# Altium PCB CB3-ECB_PCB.PcbDoc (part 2 of 4)
Units mm, origin at the board's own origin, x right, y up, seen from the top; angles counter-clockwise.
Board outline 205.5 x 149.67 mm, 4 copper layers (Top Layer, Layer 1, Layer 2, Bottom Layer), stack 1.56 mm thick; 352 components, 259 nets, 1548 pads, 901 vias.
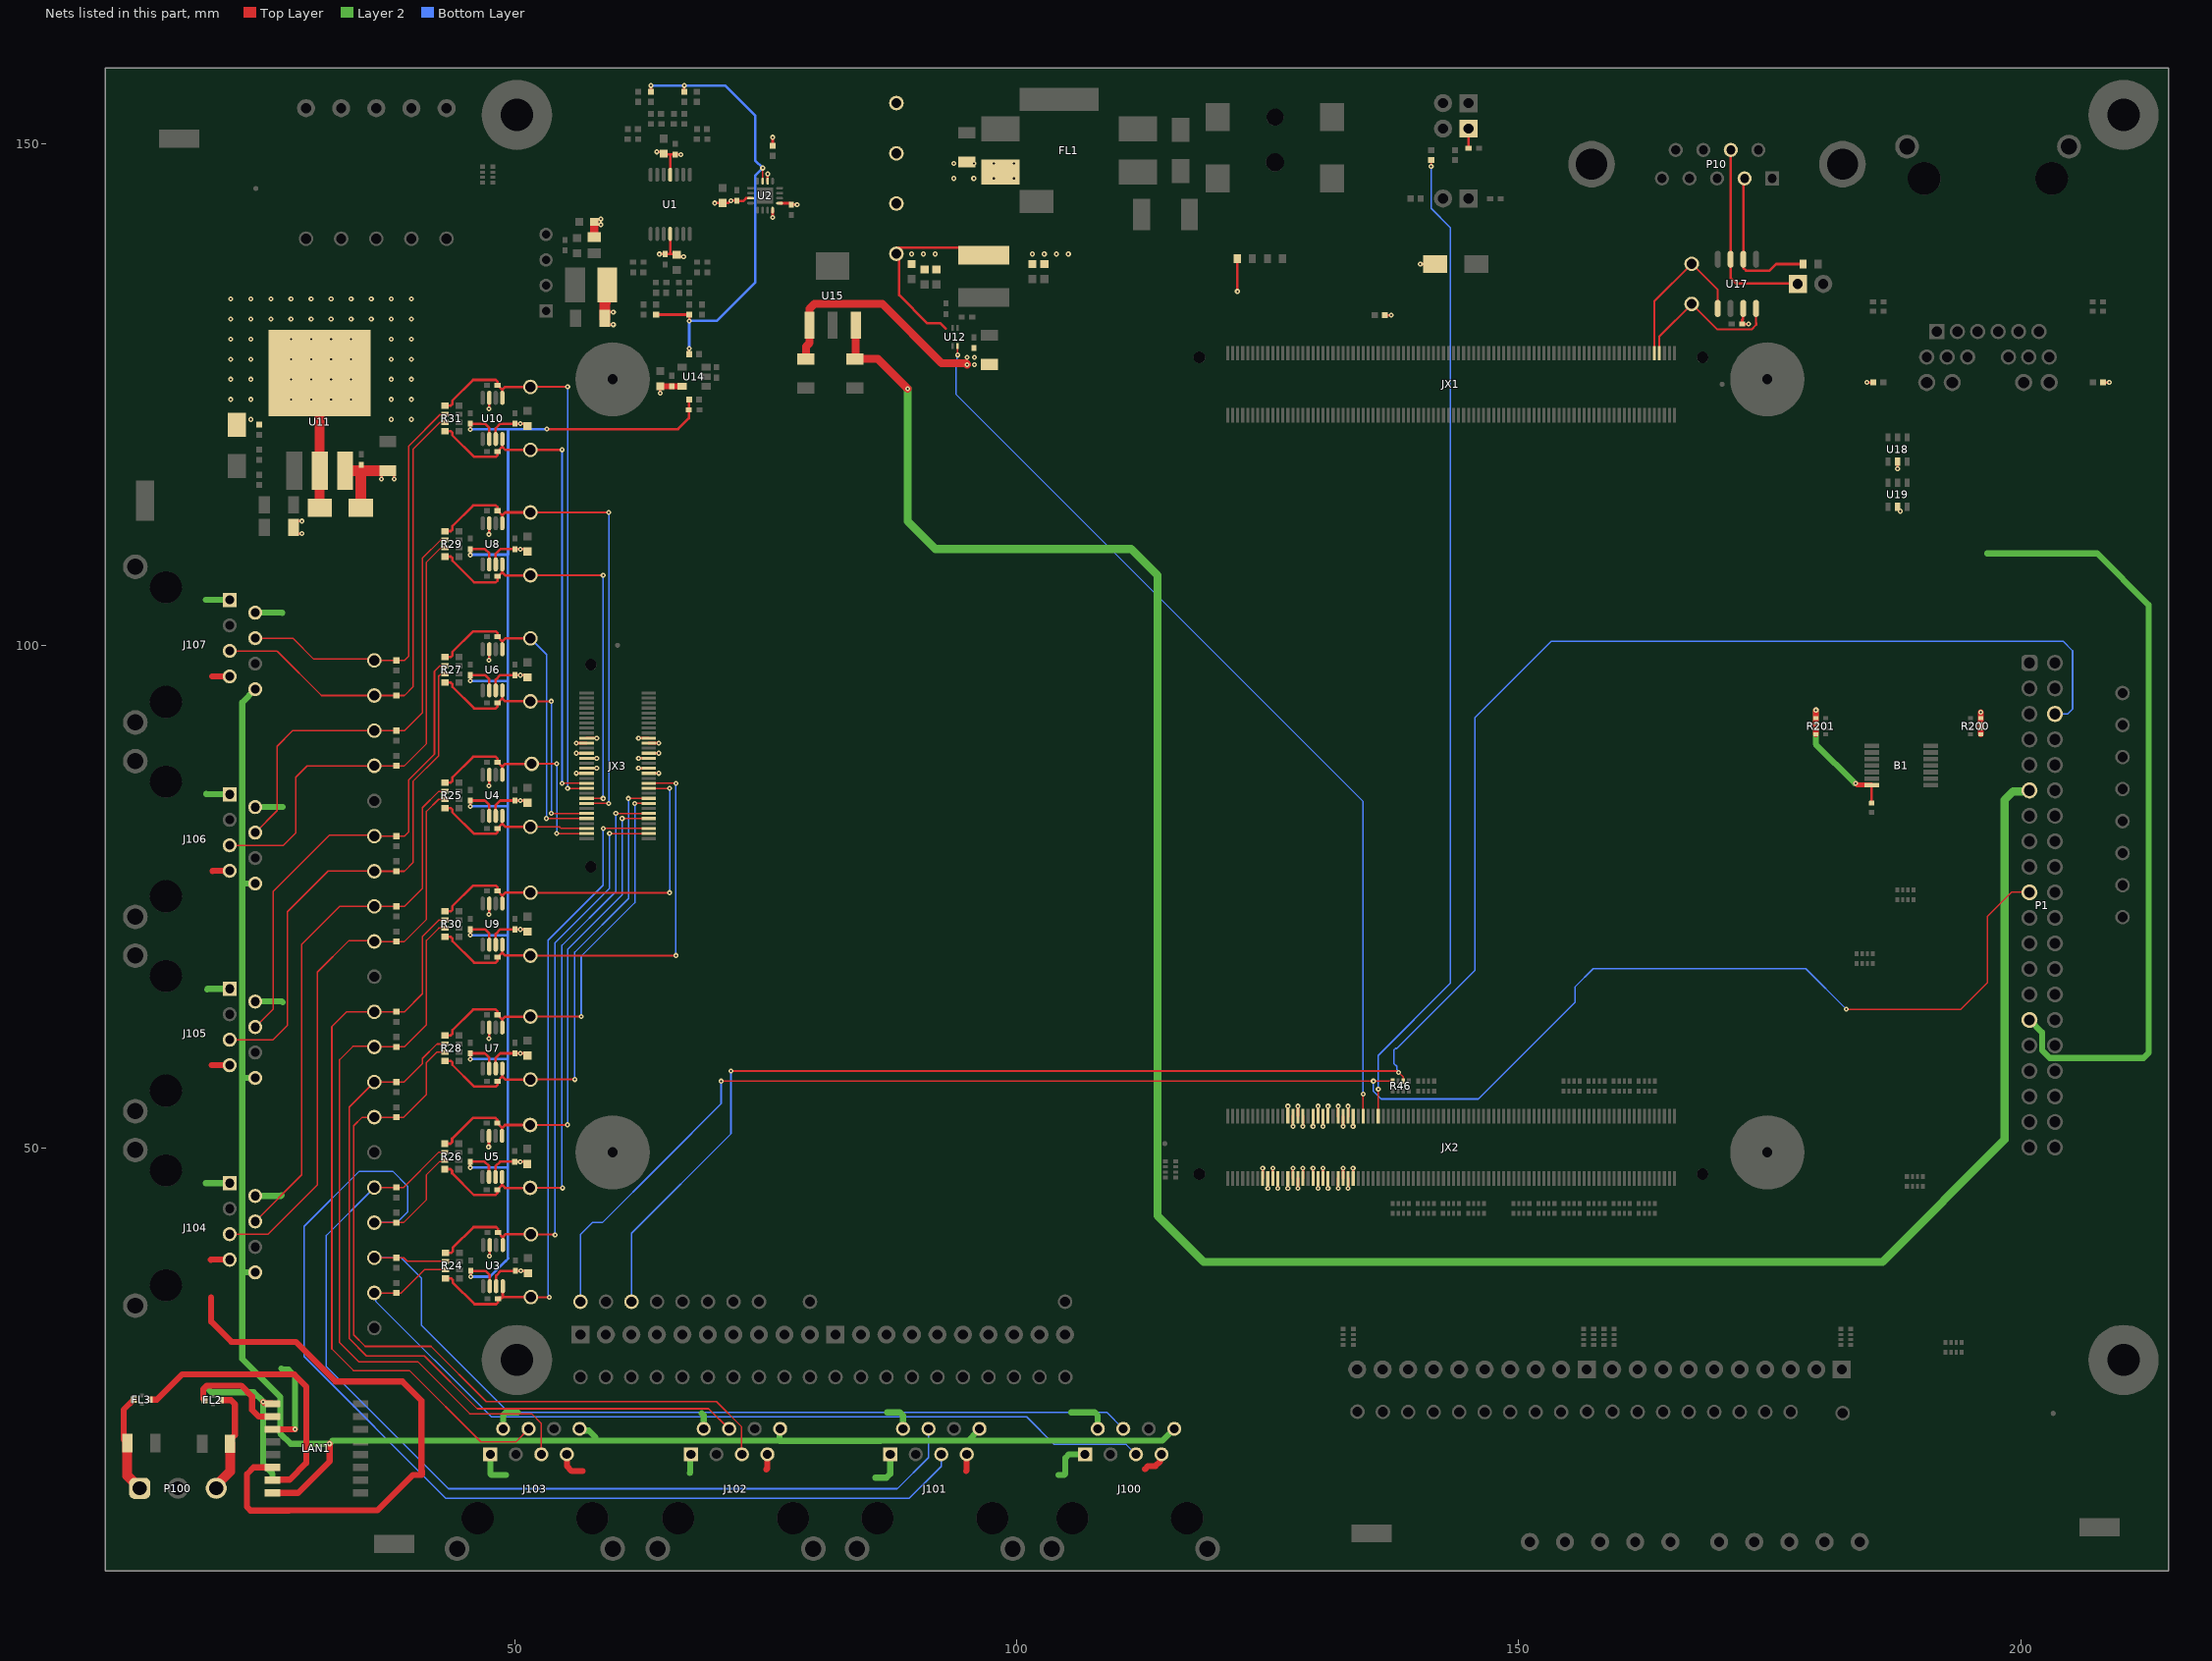
[diagram p4: the nets of this part, all layers, seen from the top]

## Part data (continued)
C1 C3 C9 C19 C22 C29 C32 C39 C42 C47 C52 C56 C64 C65 C69 C71 C79 C82 C83: library part CMP-055-000003-7, "CAP CER 10UF 10V X5R 0603 10% (Generic Imperix Component)", Case/Package=0603, Dielectric=X5R, Tolerance=10%, Voltage Rating (DC)=10V
C2 C4 C7 C8 C18 C21 C28 C31 C38 C41 C46 C51 C57 C58 C61 C67 C70 C73 C74 C75 C76 C77 C78 C84: library part CMP-004-000006-18, "CAP CER 100NF 25V X7R 0402 10% (Generic Imperix Component)", Case/Package=0402, Dielectric=X7R, Tolerance=10%, Voltage Rating (DC)=25V
C5 C10 C12 C14: library part CMP-027-000004-13, "CAP CER 56PF 50V C0G 0402 1% (Generic Imperix Component)", Case/Package=0402, Dielectric=C0G, Tolerance=1%, Voltage Rating (DC)=50V
C6 C11 C13 C15: library part CMP-012-000001-12, "CAP CER 10NF 25V X7R 0402 10% (Generic Imperix Component)", Case/Package=0402, Dielectric=X7R, Tolerance=10%, Voltage Rating (DC)=25V
C16 C17 C23 C24 C26 C27 C34 C35 C36 C37 C44 C45 C48 C49 C54 C55: library part CMP-004-000007-13, "CAP CER 12PF 50V C0G 0402 5% (Generic Imperix Component)", Case/Package=0402, Dielectric=C0G, Tolerance=5%, Voltage Rating (DC)=50V
C20 C25 C30 C33 C40 C43 C50 C53 C72 C80 C81: library part CMP-004-000008-13, "CAP CER 1UF 6.3V X5R 0402 5% (Generic Imperix Component)", Case/Package=0402, Dielectric=X5R, Tolerance=5%, Voltage Rating (DC)=6.3V
C59 C60 C62 C63 C66 C68 C85 C86: library part CMP-002-000022-5, "CAP CER 10UF 25V X5R 1206 10% (Generic Imperix Component)", Case/Package=1206, Dielectric=X5R, Tolerance=10%, Voltage Rating (DC)=25V
C87 C88: "Capacitor", Manufacturer_Name=SAMSUNG, Mouser Part Number=187-CL31B106KAHNNNE, Arrow Part Number=CL31B106KAHNNNE, Arrow Price/Stock=https://www.arrow.com/en/products/cl31b106kahnnne/samsung-electro-mechanics?region=nac, Datasheet Link=https://datasheet.datasheetarchive.com/originals/distributors/Datasheets_SAMA/d94547340e0e9d2be5f415b64e4e2f0a.pdf, Height=1.8mm, Manufacturer_Part_Number=CL31B106KAHNNNE, Mouser Price/Stock=https://www.mouser.co.uk/ProductDetail/Samsung-Electro-Mechanics/CL31B106KAHNNNE?qs=349EhDEZ59r5EZhnLOTsYA%3D%3D
C89: library part CMP-001-00067-3, "Chip Capacitor, 100nF +/-20%, 50V, 0402, Thickness 0.6 mm", Case/Package=0402, Max Operating Temperature=85°C, Min Operating Temperature=-55°C, Tolerance=10%, Voltage Rating=50V, Mounting Technology=SMT, Pins=2
D1 D3 D4: library part CMP-005-000028-6, "Diode Schottky 40 V 3A Surface Mount SMA", Average Rectified Current=3A, Case/Package=DO-214AC, Forward Voltage=450mV, Max Forward Surge Current (Ifsm)=100A, Max Operating Temperature=150°C, Max Repetitive Reverse Voltage (Vrrm)=40V, Max Reverse Current=300uA, Min Operating Temperature=-55°C, Package Quantity=1, Current Rating=3A, Element Configuration=Single, Forward Current=3A, Halogen Free="Halogen Free", Height=2mm, Lead Free="Lead Free", Length=4.32mm, Max Reverse Voltage (DC)=40V, Output Current=3A, Packaging="Tape and Reel", Peak Non-Repetitive Surge Current=100A, Pins=2, Polarity=Standard, Radiation Hardening=No, Reach SVHC Compliant=No, RoHS Compliant=Yes, Series=-, Voltage Rating (DC)=40V, Width=2.6mm
D2: library part CMP-030-000001-20, "32.5V Clamp 71A (8/20µs) Ipp Tvs Diode Surface Mount SMA (DO-214AC) Unidirectional", Breakdown Voltage=17.6V, Case/Package=DO-214AC, Clamping Voltage=32.5V, Leakage Current=200nA, Max Operating Temperature=150°C, Max Surge Current=1mA, Min Breakdown Voltage=16.7V, Min Operating Temperature=-55°C, Operating Supply Voltage=15V, Package Quantity=1, Peak Pulse Current=71A, Peak Pulse Power=400W, Power Line Protection=No, Clamping Voltage-Max=32.5V, Diode Type=ZENER, Direction=Unidirectional, ESD Protection=Yes, Height=2.03mm, Lead Free="Lead Free", Length=2.95mm, Max Breakdown Voltage=17.6V, Max Reverse Leakage Current=200nA, Mounting Technology="Surface Mount", Number of Elements=1, Number of Unidirectional Channels=1, Packaging="Tape and Reel", Pins=2, Polarity=Unidirectional, Power Dissipation=400W, Radiation Hardening=No, Reach SVHC Compliant=No, Reverse Breakdown Voltage=16.7V, Reverse Standoff Voltage=15V, RoHS Compliant=Yes, Series="SMAJ, TRANSIL™", Termination=SMD/SMT, Test Current=1mA, Voltage Rating (DC)=15V, Width=4.6mm
F1 F2 F3 F4 F5: library part CMP-031-000000-13, "Fiducial for pick&place (No BOM)"
F6: library part CMP-00170-3, "PTC Resettable Fuse 1.1A(hold)  1.95A(trip) 16VDC 1812", Case Code (Imperial)=1812, Case Code (Metric)=4532, Current Rating=100A, Hold Current=1.1A, Max Operating Temperature=85°C, Max Power Dissipation=800mW, Max Voltage Rating (DC)=16V, Min Operating Temperature=-40°C, Package Quantity=1500, Trip Current=1.95A, Approvals=cULus,TUV, Case/Package=1812, Lead Free="Lead Free", Max Current Rating=100A, Mounting Technology="Surface Mount", Operating Supply Voltage=16V, Packaging="Tape and Reel", Power Dissipation=800mW, Reach SVHC Compliant=Unknown, RoHS Compliant=Yes, Series=1812L, Termination=SMD/SMT, Time to Trip=300ms, Voltage Rating (DC)=16V, Width=4.73mm, Working Voltage=16V
FL1: library part CMP-00068-6, "EMI Filter Block 15A 50VDC Flat Style SMD Automotive Embossed T/R"
FL2 FL3: "Filter", Manufacturer_Name=TDK, Mouser Part Number=810-YFF18SC1H223MTHN, Arrow Part Number=YFF18SC1H223MT0H0N, Arrow Price/Stock=https://www.arrow.com/en/products/yff18sc1h223mt0h0n/tdk, Datasheet Link=https://product.tdk.com/system/files/dam/doc/product/emc/emc/3tf/catalog/3tf_commercial_signal_yff-sc_en.pdf, Height=0.85mm, Manufacturer_Part_Number=YFF18SC1H223MT0H0N, Mouser Price/Stock=https://www.mouser.co.uk/ProductDetail/TDK/YFF18SC1H223MT0H0N?qs=1gGcJ6gR7Y3FwyPVmpuGww%3D%3D
J1 J2 J3 J4 J5: library part CMP-018-000000-12, "Natural PC Test Point Plating Surface Mount Mounting Type", Case/Package=1206, Color=Natural, Max Operating Temperature=125°C, Min Operating Temperature=-55°C, Package Quantity=2000, Mounting Technology="Surface Mount", Packaging="Tape and Reel", Radiation Hardening=No, RoHS Compliant=Yes, Series="RC, CGS"
J6: library part CMP-056-000006-11, "2.0 x 6.5 mm, 5.0 A, Horizontal, Surface Mount (SMT), Dc Power Jack Connector", Body Color=Black, Flammability Rating="UL94 V-0", Max Operating Temperature=85°C, Min Operating Temperature=-25°C, Connector Type=Jack, Contact Material=Brass, Contact Plating=Nickel, Gender=Male, Housing Material=Nylon, Mounting Technology="Surface Mount", Shielding=Unshielded, Termination=Solder
J100 J101 J102 J103 J104 J105 J106 J107: library part CMP-03790-45268370-1, "1-1734264-1 Conn Modular Jack F 8 POS 1.02mm Solder RA Thru-Hole 8 Terminal 1 Port Cat 5 Box/Tray", Color=Black, Current Rating=1A, Flammability Rating="UL94 V-0", Manufacturer Lifecycle Status=ACTIVE, Max Operating Temperature=85°C, Min Operating Temperature=-40°C, Voltage Rating=150V, Circuit Application=Signal, Contact Finish Thickness - Mating=380nm, Contact Material="Bronze, Gold, Nickel", Contact Plating=Gold, Element Configuration=Single, ELV=Compliant, Height=15.5mm, Housing Color=Black, Housing Material=Thermoplastic, Keyed=No, Lead Free="Lead Free", Lifecycle Status=Production, NexarPartId=45268370, Number of Contacts=8, Number of Positions=8, Number of Positions Loaded=8, Orientation="Right Angle", Packaging=Box, PCB Mounting Orientation="Right Angle", PCB Thickness=1.6mm, Radiation Hardening=No, RoHS=Compliant, Shielding=Yes, Tail Length=2.79mm, Termination=Solder
JX1: library part CMP-070-000035-8, "JX1 for BBoard", Max Current Rating=1.25A, Max Operating Temperature=125°C, Max Voltage Rating (AC)=125V, Min Operating Temperature=-55°C, Contact Material=Bronze, Contact Plating=Gold, Depth=7.24mm, Gender=Female, Height=3.25mm, Housing Material=Polymer, Length=51.27mm, Mated Stacking Heights=5mm, Mounting Technology="Surface Mount", Number of Contacts=180, Number of Positions=180, Number of Rows=2, Orientation=Straight, Packaging=Bulk, Pitch=0.5mm, Radiation Hardening=No, RoHS Compliant=Yes, Series=BSH, Termination=Solder
JX2: library part CMP-070-000034-11, "JX2 for BBoard", Max Current Rating=1.25A, Max Operating Temperature=125°C, Max Voltage Rating (AC)=125V, Min Operating Temperature=-55°C, Contact Material=Bronze, Contact Plating=Gold, Depth=7.24mm, Gender=Female, Height=3.25mm, Housing Material=Polymer, Length=51.27mm, Mated Stacking Heights=5mm, Mounting Technology="Surface Mount", Number of Contacts=180, Number of Positions=180, Number of Rows=2, Orientation=Straight, Packaging=Bulk, Pitch=0.5mm, Radiation Hardening=No, RoHS Compliant=Yes, Series=BSH, Termination=Solder
JX3: library part CMP-070-000037-3, "JX3 for BBoard", Contact Plating=Gold, Gender=Female, Mated Stacking Heights=5mm, Number of Contacts=60, Number of Positions=60, Number of Rows=2, Packaging=Tray, Pitch=0.5mm, Radiation Hardening=No, RoHS Compliant=Yes, Series=BSH, Termination=Solder
L1: library part CMP-259-000003-2, "Inductor Power Shielded Wirewound 3.3uH 30% 100KHz Ferrite 4.95A 0.0299Ohm DCR 2424 T/R", Case/Package=Nonstandard, Current Rating=4.95A, DC Resistance (DCR)=30mR, Inductance Tolerance=30%, Max Operating Temperature=105°C, Min Operating Temperature=-40°C, Saturation Current=6.5A, Test Frequency=100kHz, Core Material=Ferrite, Height - Seated (Max)=0.177inch, Length=0.236inch, Mounting Technology="Surface Mount", Packaging="Cut Tape", Reach SVHC Compliant=No, RMS Current (Irms)=4.95A, RoHS Compliant=Yes, Series=VLS-EX, Shielding=Shielded, Tolerance=30%, Width=0.236inch
L3: library part CMP-007-000004-5, "Ferrite Beads Multi-Layer High Current 600Ohm 25% 100MHz 2A 100mOhm DCR 0805 T/R", Case Code (Imperial)=0805, Case Code (Metric)=2012, Current Rating=2A, DC Resistance (DCR)=100mR, Max Operating Temperature=125°C, Min Operating Temperature=-55°C, Package Quantity=4000, Self Resonant Frequency=100MHz, Tolerance=25%, Case/Package=0805, Core Material=Ferrite, DC Current=2A, Depth=1.45mm, Height=0.043inch, Impedance=600R, Lead Free="Lead Free", Length=0.079inch, Max Current Rating=2A, Max DC Current=2A, Military Standard=Not, Mounting Technology="Surface Mount", Number of Lines=1, Packaging="Tape and Reel", Pins=2, Radiation Hardening=No, Reach SVHC Compliant=Unknown, RoHS Compliant=Yes, Series=ILHB, Shielding=Shielded, Termination=SMD/SMT, Test Frequency=100MHz, Width=1.25mm
L4: library part CMP-00092-4, "Inductor Power Wirewound 22uH 10% 0.6A 0.6Ohm DCR 1812", Case/Package=Nonstandard, DC Resistance (DCR)=600mR, Max DC Current=600mA, Max Operating Temperature=125°C, Min Operating Temperature=-40°C, Tolerance=10%, Depth=3.6mm, Height=2.6mm, Length=4.5mm, Mounting Technology="Surface Mount", Packaging="Tape and Reel", Radiation Hardening=No, RoHS Compliant=Yes, Series=8400, Shielding=Unshielded, Termination=SMD/SMT, Width=3.3mm
LAN1: "Integrated Circuit", Manufacturer_Name=BelFuse, Mouser Part Number=530-S558-5999-U7-F, Arrow Part Number=S558-5999-U7-F, Arrow Price/Stock=https://www.arrow.com/en/products/s558-5999-u7-f/bel-group, Datasheet Link=https://datasheet.datasheetarchive.com/originals/distributors/Datasheets_SAMA/db0cb1a0bfcf5d4689e4d1da1843e2e3.pdf, Height=5.71mm, Manufacturer_Part_Number=S558-5999-U7-F, Mouser Price/Stock=http://www.mouser.com/Search/ProductDetail.aspx?qs=SRYZG9HaIQ2NmzVD%252bSK3sg%3d%3d
LED1: library part CMP-030-000000-10, "LED GREEN CLEAR 0603 SMD", Case Code (Imperial)=0603, Case Code (Metric)=1608, Color=Green, Forward Current=30mA, Forward Voltage=2.3V, Illumination Color=Green,Yellow, Lens Color=Colorless, Max Operating Temperature=85°C, Min Operating Temperature=-55°C, Package Quantity=3000, Power Dissipation=75mW, Reverse Voltage=5V, Test Current=5mA, Case/Package=0603, Depth=0.8mm, Dominant Wavelength=576.5nm, Height=0.45mm, Lead Free="Lead Free", Length=1.6mm, Lens Size=0.8mm, Lens Style=Flat,Diffused,Colorless,Rectangular,Clear, Lens Transparency=Clear, Luminous Intensity=28mcd, Mounting Technology="Surface Mount", Number of Elements=1, Number of LEDs=1, Packaging="Tape and Reel", Pins=2, Power Rating=75mW, Radiation Hardening=No, RoHS Compliant=Yes, Series=-, Viewing Angle=130°, Width=0.8mm
P1: library part CMP-1502-00015-3, "Würth WR-BHD Male Box Header", Color=Black, Contact Resistance=20mΩ, Current Rating=3A, Insulation Resistance=1GΩ, Manufacturer=Würth, Manufacturer Part Number=61204021621, Max Operating Temperature=105°C, Min Operating Temperature=-40°C, Operating Supply Voltage=250V, Connector Type="Male Pin", Contact Material=Copper, Contact Plating=Gold, Distributor Link=https://www.digikey.de/de/products/detail/w%C3%BCrth-elektronik/61204021621/4846944?utm_adgroup=&utm_source=google&utm_medium=cpc&utm_campaign=PMax:%20Smart%20Shopping_Product_Zombie%20SKUs&utm_term=&productid=4846944&utm_content=&utm_id=go_cmp-18521752285_adg-_ad-__dev-c_ext-_prd-4846944_sig-CjwKCAjwk8e1BhALEiwAc8MHiPu65UqwhcTUhc3Oy_D4OxhjwtwX-0sQuaE496hG5TY3wiiykcjkwRoCKKMQAvD_BwE&gad_source=1&gclid=CjwKCAjwk8e1BhALEiwAc8MHiPu65UqwhcTUhc3Oy_D4OxhjwtwX-0sQuaE496hG5TY3wiiykcjkwRoCKKMQAvD_BwE, Gender=Male, Height=9.25mm, Insulation Material=PBT, Lead Pitch=2.54mm, Length=58.46mm, Mount="Through Hole", NexarPartId=25903616, Number of Contacts=40, Number of Pins=40, Number of Positions=40, Number of Rows=2, Orientation=Vertical, Pitch=2.54mm, REACH SVHC=Unknown, RoHS=Compliant, Row Spacing=2.54mm, Termination=Solder, Voltage Rating=250V
P2 P3 P9: library part CMP-003-000046-13, "Conn PC Terminal Block 5 POS 3.5mm Solder Thru-Hole 17.5A", Color=Green, Current=10A, Current Rating=17.5A, Flammability Rating="UL94 V-0", Package Quantity=100, Voltage=300V, Voltage Rating=160V, Approvals=UL,EAC, Contact Material=Tin, Depth=9.9mm, Gender=Male, Height=13.7mm, Housing Color=Green, Housing Material=Nylon, Lead Free="Lead Free", Length=11.2mm, Material=Polyamide, Max Current Rating=17.5A, Mounting Technology="Through Hole", Number of Circuits=5, Number of Contacts=5, Number of Levels=1, Number of Poles=5, Number of Positions=5, Number of Positions Per Level=5, Number of Rows=1, Orientation=Straight, Packaging=Bulk, Pins=5, Pitch=3.5mm, RoHS Compliant=Yes, Series="COMBICON PTA", Termination=Screw, Weight=0.086068oz, Width=17.5mm, Wire Gauge (Max)=26AWG, Wire Gauge (Min)=16AWG
P10: library part CMP-255-000000-9, "Conn D-Subminiature PIN 9 POS 2.74mm Solder RA Thru-Hole 9 Terminal 1 Port", Color=Black, Current Rating=5A, Manufacturer_Name="Amphenol Communications Solutions", Max Operating Temperature=105°C, Min Operating Temperature=-55°C, Voltage Rating=250V, Connector Type=D-Sub,Plug, Contact Plating=Gold, Contact Type=Signal, Design Item ID=LD09P33E4GV00LF, Geometry.Height=12.96mm, Housing Material=Thermoplastic, Manufacturer_Part_Number=LD09P33E4GV00LF, Mounting Technology="Through Hole", Number of Positions=9, Number of Rows=2, Packaging=Bulk, Series=LD, Termination=Solder
P11 P15 P17 P18: library part CMP-003-000044-17, "Connector Header Through Hole 10 position 0.100\" (2.54mm)", Current Rating=3A, Flammability Rating="UL94 V-0", Insulation Color=Black, Max Operating Temperature=105°C, Min Operating Temperature=-40°C, Package Quantity=500, Voltage Rating=750V, Contact Finish - Mating=GOLD, Contact Material=Brass, Contact Plating=Gold, Contact Shape=Square, Contact Type="Male Pin", Fastening Type=Pull, Gender=Male, Housing Material=Nylon, Insulation Material=Nylon, Mated Stacking Heights=16.54mm, Mounting Technology="Through Hole", Number of Contacts=10, Number of Positions=10, Number of Rows=1, Packaging=Bulk, Pitch=2.54mm, Radiation Hardening=No, RoHS Compliant=Yes, Series=M20, Termination=Solder
P12 P13: library part CMP-003-000045-14, "Connector Header Through Hole 2 position 0.100\" (2.54mm)", Contact Resistance=25mR, Current=3A, Flammability Rating="UL94 V-0", Housing Color=Black, Insulation Resistance=10GR, Max Operating Temperature=105°C, Min Operating Temperature=-40°C, Package Quantity=1000, Voltage=50V, Voltage Rating (AC)=750V, Contact Finish - Mating=GOLD, Contact Material=Brass,Bronze, Contact Plating=Gold, Contact Shape=Square, Contact Type="Male Pin", Current Rating=3A, Depth=2.54mm, Fastening Type=Pull, Gender=Male, Housing Material=Nylon, Insulation Color=Black, Insulation Material=Nylon, Lead Pitch=2.54mm, Length=5.08mm, Mated Stacking Heights=16.54mm, Mating Cycles=300, Max Current Rating=3A, Mounting Technology="Through Hole", Number of Contacts=2, Number of Poles=2, Number of Positions=2, Number of Rows=1, Orientation=Straight, Packaging=Bulk, Pitch=2.54mm, Radiation Hardening=No, Reach SVHC Compliant=No, Series=M20, Termination=Solder, Voltage Rating (DC)=750V, Working Voltage=750V
P19: library part CMP-265-000000-4, "Conn Modular Jack RCP 12 POS 2.03mm Solder RA Thru-Hole 16 Terminal 1 Port Tray", Color=Green,Orange,Yellow, Max Operating Temperature=70°C, Min Operating Temperature=0°C, Availability=Unavailable, Component Type=Standard, Connector Type=RJ45, Contact Material="Copper Alloy", Contact Plating=Gold, Depth=15.01mm, Design Item ID=0826-1X1T-43-F, Direction=Up, Gender=Female, Housing Material=Polyamide, Length=19.15mm, Mounting Technology="Through Hole", Number of Contacts=12, Number of Cores per Jack=8, Number of Ports=1, Number of Positions Loaded=12, Number of Rows=1, Orientation="Right Angle", Packaging=Tray, Pin Count=18, Pitch=2.03mm, Series=MagJack®, Shielding=Shielded, Termination=Solder
P20 P21: library part CMP-070-000025-6, "Connector Header Through Hole 2 position 0.100\" (2.54mm)", Contact Resistance=25mR, Current=3A, Flammability Rating="UL94 V-0", Housing Color=Black, Insulation Resistance=10GR, Max Operating Temperature=105°C, Min Operating Temperature=-40°C, Package Quantity=1000, Voltage=50V, Voltage Rating (AC)=750V, Contact Finish - Mating=GOLD, Contact Material=Brass,Bronze, Contact Plating=Gold, Contact Shape=Square, Contact Type="Male Pin", Current Rating=3A, Depth=2.54mm, Fastening Type=Pull, Gender=Male, Housing Material=Nylon, Insulation Color=Black, Insulation Material=Nylon, Lead Pitch=2.54mm, Length=5.08mm, Mated Stacking Heights=16.54mm, Mating Cycles=300, Max Current Rating=3A, Mounting Technology="Through Hole", Number of Contacts=2, Number of Poles=2, Number of Positions=2, Number of Rows=1, Orientation=Straight, Packaging=Bulk, Pitch=2.54mm, Radiation Hardening=No, Reach SVHC Compliant=No, Series=M20, Termination=Solder, Voltage Rating (DC)=750V, Working Voltage=750V
P22 P23 P24 P25: library part CMP-002-000068-13, "WA-SMSE SMT Steel Spacer, M3x5mm Thread External", Body Length=5mm, Length=0.433inch, Material=Steel, Mounting Technology=External, Outside Diameter=0.236inch, Plating=Tin, Reach SVHC Compliant=Unknown, Series=WA-SMSE, Thread size=M3, Threaded/Unthreaded=Threaded, Width=6mm
P26 P27 P28 P29: library part CMP-00128-10, "Hole and pad for spacer M3", Outside diameter SW=5.5mm, Thread size=M3
P100: library part CMP-1502-01887-2, "TERM BLOCK HDR 3POS 90DEG 3.81MM", Color=Green, Current=10A, Manufacturer=Würth, Manufacturer Part Number=691322310003, Voltage=300V, Contact Material=Brass, Contact Plating=Tin, Distributor Link=https://www.digikey.de/de/products/detail/w%C3%BCrth-elektronik/691322310003/2060585, Gender=Male, Height=9.2mm, Lead Pitch=3.81mm, Length=10.5mm, Mount="Through Hole", NexarPartId=8917778, Number of Contacts=3, Number of Levels=1, Number of Pins=3, Number of Positions Per Level=3, Number of Rows=1, Packaging=Box, Pitch=3.81mm, REACH SVHC=Unknown, RoHS=Compliant, Termination=Solder, Width=12.82mm
R2: library part CMP-00098-1, "RES SMD 1.8KΩ 1/8W 25PPM 0603 0.1% (Generic Imperix Component)", Case/Package=0603, Power Rating=1/8W, Temperature Coefficient=25ppm/°C, Tolerance=0.1%
R3 R4 R35 R37 R38 R39 R40 R71 R72 R73 R74 R75 R76 R77 R78 R79: library part CMP-00160-1, "RES SMD 1MΩ 1/16W 100PPM 0402 1% (Generic Imperix Component)", Case/Package=0402, Power Rating=1/16W, Temperature Coefficient=100ppm/°C, Tolerance=1%
R5 R8 R9 R11 R14 R16 R19 R20 R23 R41: library part CMP-009-000034-6, "RES SMD 6.19KΩ 1/16W 100PPM 0402 1% (Generic Imperix Component)", Case/Package=0402, Power Rating=1/16W, Temperature Coefficient=100ppm/°C, Tolerance=1%
R6 R7 R10 R12 R17 R18 R21 R22: library part CMP-00012-1, "RES SMD 3.09KΩ 1/16W 100PPM 0402 1% (Generic Imperix Component)", Case/Package=0402, Power Rating=1/16W, Temperature Coefficient=100ppm/°C, Tolerance=1%
R13 R15 R42 R46 R47 R48 R49 R51 R53 R58 R59 R60 R61 R62 R63 R64 R65 R70: library part CMP-009-000035-3, "Res Thick Film Array 33 Ohm 5% ±200ppm/°C ISOL 8-Pin 0804(4 X 0402) Convex SMD Automotive T/R", Case Code (Imperial)=0402, Case Code (Metric)=1005, Case/Package=0804, Max Operating Temperature=125°C, Min Operating Temperature=-55°C, Number of Resistors=4, Package Quantity=10000, Power Dissipation=63mW, Power Per Element=62.5mW, Resistance Tolerance=5%, Temperature Coefficient=200ppm/°C, Voltage Rating=50V, Voltage Rating (DC)=100V, Circuit Type=Isolated, Depth=1mm, Height=0.35mm, Lead Free="Lead Free", Length=2mm, Military Standard=Not, Mounting Technology="Surface Mount", Number of Contacts=8, Number of Elements=4, Packaging="Tape and Reel", Pins=8, Power Rating=62.5mW, Radiation Hardening=No, Reach SVHC Compliant=No, RoHS Compliant=Yes, Series=EXB, Technology="THICK FILM", Terminal Pitch=0.5mm, Termination=Convex, Tolerance=5%, Width=1mm
R24 R25 R26 R27 R28 R29 R30 R31: library part CMP-017-000003-7, "10k Ohm ±0.1% 100mW Power Per Element Isolated 4 Resistor Network/Array ±25ppm/°C 1206 (3216 Metric), Convex, Long Side Terminals", Case Code (Imperial)=1206, Case Code (Metric)=3216, Max Operating Temperature=125°C, Min Operating Temperature=-55°C, Number of Resistors=4, Power Per Element=100mW, Temperature Coefficient=25ppm/°C, Tolerance=0.1%, Tolerance Relative=0.05%, Case/Package=1206, Circuit Type=Isolated, Lead Free="Lead Free", Mounting Technology="Surface Mount", Packaging="Cut Tape", Pins=8, Power Rating=100mW, RoHS Compliant=Yes, Series="ACA - Precision"
R32 R82 R83: library part CMP-132-000003-2, "RES SMD 249Ω 1/16W 100PPM 0402 1% (Generic Imperix Component)", Case/Package=0402, Power Rating=1/16W, Temperature Coefficient=100ppm/°C, Tolerance=1%
R33 R84: library part CMP-150-000004-2, "RES SMD 777Ω 1/16W 25PPM 0402 0.1% (Generic Imperix Component)", Case/Package=0402, Power Rating=1/16W, Temperature Coefficient=25ppm/°C, Tolerance=0.1%
R34 R80: library part CMP-004-000018-3, "RES SMD 1.6Ω 1/16WW 200PPM 0402 5% (Generic Imperix Component)", Case/Package=0402, Power Rating=1/16W, Temperature Coefficient=200ppm/°C, Tolerance=5%
R36: library part CMP-006-000016-3, "RES SMD 120Ω 1/8W 50PPM 0603 1% (Generic Imperix Component)", Case/Package=0603, Power Rating=1/8W, Temperature Coefficient=50ppm/°C, Tolerance=1%
R43 R44: library part CMP-017-000008-4, "RES SMD 120Ω 1/16W 25PPM 0402 0.1% (Generic Imperix Component)", Case/Package=0402, Power Rating=1/16W, Temperature Coefficient=25ppm/°C, Tolerance=0.1%
R54 R55 R56 R57 R66 R67 R68 R69 R200 R201: library part CMP-062-000000-4, "Res Thick Film Array 10KΩ 5% ±200ppm/°C ISOL 8-Pin 0804(4 X 0402) Convex SMD Automotive T/R", Case Code (Imperial)=0402, Case Code (Metric)=1005, Case/Package=0804, Max Operating Temperature=125°C, Min Operating Temperature=-55°C, Number of Resistors=4, Package Quantity=1, Power Dissipation=63mW, Power Per Element=62.5mW, Resistance Tolerance=5%, Temperature Coefficient=200ppm/°C, Voltage Rating=50V, Voltage Rating (DC)=100V, Circuit Type=Isolated, Depth=1mm, Height=0.35mm, Lead Free="Lead Free", Length=2mm, Military Standard=Not, Mounting Technology="Surface Mount", Number of Contacts=8, Number of Elements=4, Packaging="Tape and Reel", Pins=8, Power Rating=62.5mW, Radiation Hardening=No, Reach SVHC Compliant=Unknown, RoHS Compliant=Yes, Series=EXB, Technology="THICK FILM", Terminal Pitch=0.5mm, Termination=Convex, Tolerance=5%, Width=1mm
R81: library part CMP-009-000006-6, "RES SMD 100KΩ 1/16W 100PPM 0402 1% (Generic Imperix Component)", Case/Package=0402, Power Rating=1/16W, Temperature Coefficient=100ppm/°C, Tolerance=1%
TP2 TP3 TP4 TP5 TP7 TP8 TP9 TP10 TP11 TP13 TP14 TP15 TP16 TP17 TP19 TP20 TP21 TP22 TP23 TP25 TP26 TP27 TP29 TP30 TP31 TP32 TP33 TP35 TP36 TP37 TP39 TP40 TP41 TP42 TP43 TP45 TP46 TP47 TP48 TP51 TP52 TP53 TP54 TP55 TP56 TP57 TP58 TP59 TP60 TP61 TP62 TP63 TP64 TP65 TP66 TP67 TP68 TP72 TP73 TP74 TP77 TP78 TP79 TP80 TP84 TP85 TP86 TP87 TP88 TP91 TP92 TP93 TP94 TP95 TP96 TP99 TP100 TP101 TP102 TP103 TP104 TP105 TP106 TP107 TP108 TP109 TP110 TP111 TP112 TP113 TP114 TP115 TP116 TP117 TP118 TP119 TP120 TP121 TP122 TP123 TP124 TP125 TP128 TP129: library part CMP-049-000000-14, "Black PC Test Point, Miniature Phosphor Bronze Silver Plating Through Hole Mounting Type", Color=Black, Package Quantity=100, Body Material=Bronze, Contact Material=Bronze, Contact Plating=Tin,Silver, Diameter=2.54mm, Hole Diameter=1.6mm, Housing Color=Black, Inside Diameter=1.27mm, Insulation=Insulated, Insulation Material=Nylon, Lead Free="Lead Free", Length=7.62mm, Material=Nylon,Bronze,Silver, Mounting Technology="Through Hole", Number of Contacts=1, Number of Ports=1, Orientation=Straight, Outside Diameter=2.54mm, Packaging=Bulk, Plating=Silver, Reach SVHC Compliant=No, RoHS Compliant=Yes, Series=THM, Termination="Through Hole"
U1: library part CMP-00166-1, "Precision Amplifiers Low-power low-noise four-channel precision amplifier with e-trim and super-beta inputs", Case/Package=TSSOP-14, Input Bias Current=100pA, Input Offset Voltage (Vos)=2uV, Max Operating Temperature=85°C, Min Operating Temperature=-40°C, Operating Supply Current=0.24mA, Gain Bandwidth Product=3.6MHz, Mounting Technology="Surface Mount", Number of Channels=4, Number of Circuits=4, Packaging="Tape and Reel", Pins=14, RoHS Compliant=Yes, Slew Rate=4V/µs
U2: library part CMP-029-000000-12, "DAC 4-CH Resistor-String 14-bit 16-Pin LFCSP EP T/R", Case/Package=QFN-16, Max Operating Temperature=105°C, Max Output Voltage=5.5V, Min Input Voltage=750mV, Min Operating Temperature=-40°C, Min Output Voltage=2.7V, Package Quantity=1500, Power Dissipation=7.15mW, Supply Current=1.1mA, Contact Plating=Tin,Matte, Conversion Rate=25MS/s, Differential Output=No, Integral Nonlinearity (INL)=1LSB, Interface=SPI,Serial, Lead Free="Contains Lead", Max Supply Voltage=5.5V, Min Supply Voltage=2.7V, Number of Bits=14, Number of Converters=4, Number of D/A Converters=4, Number of DAC Channels=4, Output Polarity=Unipolar, Output Type=Voltage, Packaging="Tape and Reel", Pins=16, Reach SVHC Compliant=No, Resolution=14b, RoHS Compliant=Yes, Sampling Rate=25MS/s, Series=nanoDAC+™, Settling Time=5us, Signal to Noise Ratio (SNR)=90dB, Slew Rate=0.8V/µs, Supply Type=Analog,Digital
U3 U4 U5 U6 U7 U8 U9 U10: library part CMP-011-000002-8, "Low Noise, Precision, 150MHz, Fully Differential Amplifier 8-TSOP -40 to 125", Case/Package=TSOP-8, Input Bias Current=1uA, Input Offset Voltage (Vos)=50uV, Max Operating Temperature=125°C, Min Operating Temperature=-40°C, Operating Supply Current=1.35mA, -3db Bandwidth=150MHz, Amplifier Type=DIFFERENTIAL, Bandwidth=135MHz, Gain Bandwidth Product=135MHz, Lead Free="Lead Free", Mounting Technology="Surface Mount", Number of Amplifiers=1, Number of Channels=1, Number of Circuits=1, Packaging="Cut Tape", Pins=8, Reach SVHC Compliant=No, RoHS Compliant=Yes, Series=-, Slew Rate=220V/µs
U11: library part CMP-011-000003-10, "IC REG LINEAR ADJ 1.5A DDPAK", Case/Package=TO263-3, Dropout Voltage=2V, Max Operating Temperature=125°C, Max Output current=1.5A, Max Output Voltage=37V, Max Supply Voltage=40V, Min Input Voltage=4.2V, Min Operating Temperature=0°C, Min Output Voltage=1.25V, Package Quantity=1, Power Supply Rejection Ratio (PSRR)=64dB, Quiescent Current=3.5mA, Reference Voltage=1.3V, Height=4.44mm, Lead Free="Lead Free", Length=10.18mm, Mounting Technology="Surface Mount", Number of Outputs=1, Number of Regulators=1, Output Current=1.5A, Output Type=Adjustable, Output Voltage=37V, Packaging="Tape and Reel", Pins=3, Polarity=Positive, Reach SVHC Compliant=No, RoHS Compliant=Yes, Series=LM317, Weight=0.050897oz, Width=8.41mm
U12: library part CMP-00162-5, "LMR436x0, 36-V, 1-A Buck Converter"
U13: library part CMP-004-000025-11, "Isolated Module DC DC Converter 1 Output 5V 200mA 10.8V - 13.2V Input", Isolation Voltage=1kV, Max Operating Temperature=85°C, Max Output current=200mA, Max Output Voltage=5V, Max Power Dissipation=1W, Max Supply Voltage=13.2V, Min Input Voltage=10.8V, Min Operating Temperature=-40°C, Efficiency=80%, Height=10mm, Lead Free="Lead Free", Length=11.5mm, Mounting Technology="Through Hole", Number of Outputs=1, Packaging=Rail/Tube, RoHS Compliant=Yes, Series="ECONOLINE ROE (E-Series) (1W)", Voltage - Output 1=5V, Weight=1.4g, Width=6mm
U14: library part CMP-00165-2, "Single Operational Amplifier, 50 µV Offset, 0.25 µV/°C, Zero-Drift Precision, Low Power", Case/Package=SOT-23-5, Input Bias Current=50pA, Input Offset Voltage (Vos)=14uV, Max Operating Temperature=125°C, Min Operating Temperature=-40°C, Operating Supply Current=21uA, Output Current per Channel=5mA, Gain Bandwidth Product=350kHz, Lead Free="Lead Free", Mounting Technology="Surface Mount", Number of Circuits=1, Packaging="Tape and Reel", RoHS Compliant=Yes, Series=-, Slew Rate=0.16V/µs
U15: library part CMP-001-0000-1, "IC REG LINEAR 5V 400MA SOT223-4"
U17: library part CMP-00049-3, "Texas Instruments - SN65HVD232DR - Can Transceiver, 1MBPS, 1/1, 3.3V, SOIC-8, Full Reel", Case/Package=SOIC-8, Max Operating Temperature=85°C, Max Supply Voltage=3.6V, Min Operating Temperature=-40°C, Min Supply Voltage=3V, Package Quantity=2500, Supply Current=17mA, Data Rate=1Mbps, Lead Free="Lead Free", Number of Drivers=1, Number of Receive Buffers=1, Number of Receivers=1, Number of Transceivers=1, Number of Transmit Buffers=1, Packaging="Tape and Reel", Pins=8, Radiation Hardening=No, Reach SVHC Compliant=No, Receiver Hysteresis=100mV, RoHS Compliant=Yes, Series=-, Simplex/Duplex="Half Duplex", Weight=0.002561oz
U18 U19: library part CMP-050-000000-12, "HDMIULC6 Series 4 Channel 6 V Bi-Directional ESD Protection - SOT-23-6", Breakdown Voltage=6V, Case/Package=SOT23-6, Clamping Voltage=17V, Leakage Current=500nA, Max Operating Temperature=125°C, Min Operating Temperature=-55°C, Operating Supply Voltage=5V, Package Quantity=1, Peak Pulse Current=5A, Power Line Protection=Yes, Test Current=1mA, Clamping Voltage-Max=17V, Depth=1.75mm, Direction=Unidirectional,Bidirectional, ESD Protection=Yes, Height=1.3mm, Lead Free="Lead Free", Length=3.05mm, Max Breakdown Voltage=6V, Max Reverse Leakage Current=500nA, Min Breakdown Voltage=6V, Mounting Technology="Surface Mount", Number of Bidirectional Channels=4, Number of Channels=4, Number of Elements=1, Number of Unidirectional Channels=4, Packaging="Tape and Reel", Pins=6, Polarity=Bidirectional,Unidirectional, Radiation Hardening=No, Reach SVHC Compliant=No, Reverse Breakdown Voltage=6V, Reverse Standoff Voltage=5V, RoHS Compliant=Yes, Series=HDMI, Termination=SMD/SMT, Voltage Rating (DC)=6V, Width=1.75mm, Working Voltage=5V

## Via types
v1: diameter 0.508, hole 0.2, Top Layer to Bottom Layer, 457 vias
v2: diameter 0.508, hole 0.2, Top Layer to Bottom Layer, tented both sides, 440 vias
v3: diameter 0.508/0.508/0.508/0.508 (per signal layer), hole 0.2, Top Layer to Bottom Layer, tented both sides, 3 vias
v4: diameter 0.66, hole 0.33, Top Layer to Bottom Layer, tented both sides, 1 vias

## Nets (pads, with @x,y where several pads share a name; then routed paths per layer and width w, separated by ;. In a path a pad name is that pad's centre, name@x,y a point inside that pad or via, vN(x,y) a via of type N, cw(c..) or ccw(c..) an arc to the next point about the centre after c; other vN are vias at no path point)
2V5REFBUF: C20.2 C25.2 C30.2 C33.2 C40.2 C43.2 C50.2 C53.2 C81.2 R80.2 U3.2 U4.2 U5.2 U6.2 U7.2 U8.2 U9.2 U10.2 | length 163.4
  Top Layer w0.254: v2(45.575,48.043) C30.2@45.575,48.619 47.024,48.619 47.447,48.196 U5.2@47.447,47.094 ; v2(45.6,58.837) C40.2@45.6,59.414 47.049,59.413 47.472,58.99 U7.2@47.472,57.889 ; v2(45.6,71.182) C50.2@45.6,71.758 47.049,71.758 47.472,71.334 U9.2@47.472,70.233 ; v2(45.6,84.009) C25.2@45.6,84.585 47.049,84.585 47.472,84.161 U4.2@47.472,83.06 ; v2(45.6,96.506) C33.2@45.6,97.082 47.049,97.082 47.472,96.658 U6.2@47.472,95.557 ; v2(45.6,109.053) C43.2@45.6,109.629 47.049,109.629 47.472,109.206 U8.2@47.472,108.104 ; v2(45.6,121.55) C53.2@45.6,122.126 47.049,122.126 47.472,121.703 U10.2@47.472,120.601 ; v2(45.648,37.165) C20.2@45.648,37.741 47.097,37.741 47.52,37.318 U3.2@47.52,36.216 ; v1(53.2,121.6) 53.225,121.575 66.275,121.575 67.35,122.65 C81.2@67.35,123.5 67.35,124.5 R80.2@67.375,124.525
  Bottom Layer w0.254: v2(45.575,48.043) 49.3,48.043 ; v2(45.6,58.837) 49.325,58.837 ; v2(45.6,71.182) 49.325,71.182 ; v2(45.6,84.009) 49.325,84.009 ; v2(45.6,96.506) 49.325,96.506 ; v2(45.6,121.55) 45.625,121.575 49.4,121.575 ; v2@45.625,109.078 49.35,109.078 ; v2(45.648,37.165) 47.553,37.165 49.123,38.734 49.325,38.936 ; 49.325,46.493 49.325,38.936 ; 49.325,46.493 49.325,58.837 ; 49.373,38.985 49.325,38.936 ; v1(53.2,121.6) 53.175,121.575 49.4,121.575 ; 49.325,58.837 49.325,71.182 ; 49.325,71.182 49.325,84.009 ; 49.325,84.009 49.325,96.506 ; 49.325,96.506 49.325,109.053 49.35,109.078 ; 49.35,109.078 49.35,121.525 49.4,121.575
2V5REFOUT: R7.2 R12.2 R18.2 R22.2 R81.1 U2.15 | length 46.8
  Top Layer w0.152: U2.15@74.699,146.285 U2.15@74.697,146.284 74.697,147.585 v2(74.7,147.587)
  Top Layer w0.254: R22.2@63.577,155.183 v2(63.577,155.801) ; R7.2@64.091,132.982 R12.2@67.401,132.982 v2(67.401,132.364) ; R18.2@66.887,155.183 v2(66.887,155.801) ; R81.1@67.375,129.05 v2(67.375,129.625)
  Bottom Layer w0.254: v2(63.577,155.801) v2(66.887,155.801) 66.985,155.801 70.974,155.801 73.95,152.825 73.95,148.338 v2(74.7,147.587) 73.95,146.837 73.95,136.175 70.139,132.364 v2(67.401,132.364) 67.388,132.351 67.388,129.638 v2(67.375,129.625)
3V3: B1.14 C7.2 C56.2 C69.2 C70.2 C71.2 C78.2 C82.2 C83.2 C89.2 D4.K L1.2 P1.29 P12.1 R11.2 R41.1 R82.2 R83.2 R200.5 R200.6 R200.7 R200.8 R201.5 R201.6 R201.7 R201.8 TP122.1 U2.8 U2.9 U2.14 U12.8 U17.3 U18.5 U19.5 | length 126.8
  Top Layer w0.25: v2(75.699,142.678) U2.8@75.699,143.382 ; U2.9@76.397,144.082 77.43,144.082 77.553,143.959 C7.2@77.553,143.946 77.555,143.948 78.123,143.948 v2(78.125,143.95) ; C70.2@172.25,132.05 v1(172.9,132.05) ; v1(184.675,126.23) R83.2@185.3,126.23 ; R82.2@208.25,126.23 v1(208.8,126.23) v1@208.85,126.23
  Top Layer w0.254: U2.14@75.196,146.286 v2(75.196,146.99) ; R11.2@75.697,150.05 v2(75.697,150.65) ; U12.8@92.937,131.585 92.397,132.125 91.105,132.125 88.296,134.934 88.296,139.371 88.025,139.642 95.758,139.642 L1.2@96.475,138.925 ; R41.1@136.675,132.925 v2@137.308,132.925 ; v2(140.2,138.025) D4.K@141.675,138.025 ; P12.1@144.995,151.51 144.995,149.555 C78.2@145,149.55 ; C70.2@172.25,132.05 172.25,132.475 172.325,132.55 172.325,133.565 U17.3@172.36,133.6 ; B1.14@185.137,86.1 B1.14@185.15,86.113 ; C89.2@185.15,84.325 B1.14@185.15,86.113 ; B1.14@185.162,86.125 B1.14@185.15,86.113 ; U19.5@187.725,113.85 187.725,113.7 187.981,113.444 v2(187.981,113.406) ; v2(187.725,117.65) U18.5@187.725,118.35